# Altium PCB LimeSDR-PCIe_1v3.PcbDoc (part 7 of 10)
Units mm, origin at the board's own origin, x right, y up, seen from the top; angles counter-clockwise.
Board outline 136.85 x 68.9 mm, 12 copper layers (Top, L2, L3, L4, L5, L6, L7, L8, L9, L10, L11, Bottom), stack 1.638 mm thick; 831 components, 538 nets, 3821 pads, 1805 vias.
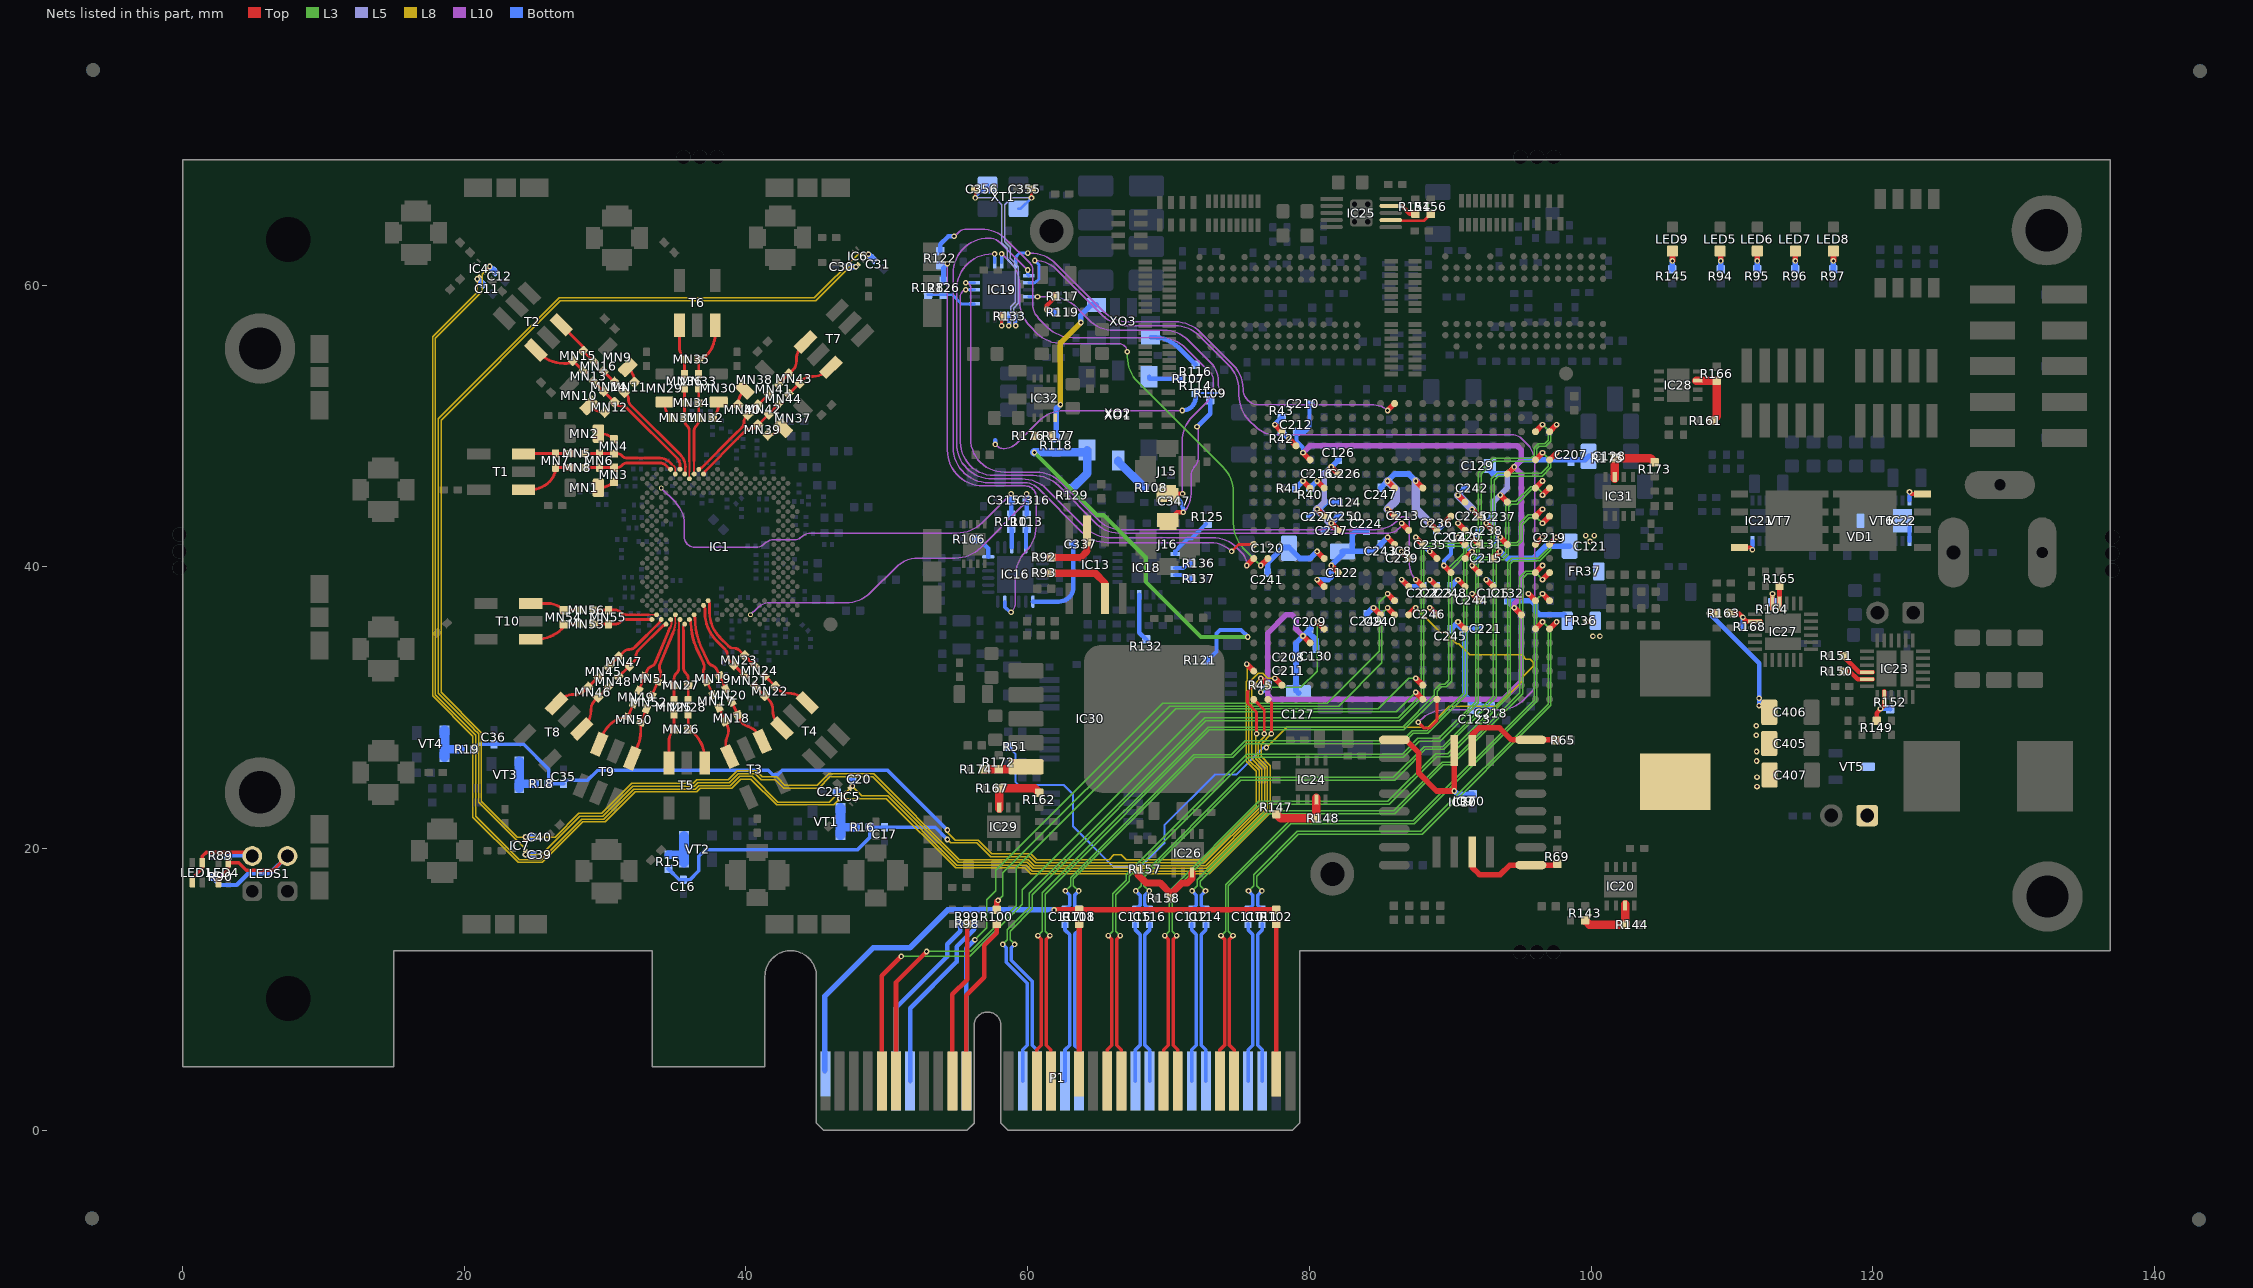
[diagram p17: the nets of this part, all layers, seen from the top]

## Via types
v1: diameter 0.4, hole 0.2, Top to Bottom, tented both sides, 1697 vias
v2: diameter 0.35, hole 0.2, Top to Bottom, tented top, 87 vias
v3: diameter 0.5, hole 0.2, Top to Bottom, tented both sides, 20 vias
v4: diameter 0.4, hole 0.2, Top to Bottom, tented top, 1 vias

## Nets (pads, with @x,y where several pads share a name; then routed paths per layer and width w, separated by ;. In a path a pad name is that pad's centre, name@x,y a point inside that pad or via, vN(x,y) a via of type N, cw(c..) or ccw(c..) an arc to the next point about the centre after c; other vN are vias at no path point) (continued)
NetIC8_F17: IC8.F17 R45.2 | length 9.5
  Top w0.4: v1(80.55,36.1) IC8.F17@81.05,35.6
  L3 w0.1: v1(76.55,31.1) 76.9,31.45 79.395,31.45 80.55,32.605 v1(80.55,36.1)
  Bottom w0.4: v1(76.55,31.1) R45.2@77.05,31.6
NetIC8_G11: IC8.G11 R51.2 | length 61.1
  Top w0.4: IC8.G11@87.05,36.6 v1(87.55,37.1)
  L8 w0.1: v1(76.95,27.175) 78.4,28.625 88.445,28.625 89.92,30.1 93.328,30.1 95.125,31.897 95.125,32.17 95.9,32.945 95.9,33.245 95.695,33.45 95.375,33.45 95.075,33.75 91.4,33.75 90.6,34.55 90.454,34.55 89.654,35.35 89.3,35.35 v1(87.55,37.1)
  Bottom w0.15: R51.2@58.625,27.225 59.125,26.725 59.125,24.738 59.338,24.525 62.546,24.525 63.225,23.846 63.225,21.566 66.116,18.675 68.004,18.675 69.7,20.371 69.7,21.65 73.3,25.25 74.8,25.25 76.725,27.175 v1(76.95,27.175)
NetIC8_T17: IC8.T17 R40.1 | length 1.4
  Top w0.4: v1(80.55,46.1) IC8.T17@81.05,45.6
  Bottom w0.4: R40.1@80.075,45.625 v1(80.55,46.1)
NetIC8_T18: IC8.T18 R41.2 | length 1.4
  Top w0.4: v1(79.55,46.1) IC8.T18@80.05,45.6
  Bottom w0.4: R41.2@79.05,45.6 v1(79.55,46.1)
NetIC8_W19: IC8.W19 R42.1 | length 1.4
  Top w0.4: v1(78.55,49.1) IC8.W19@79.05,48.6
  Bottom w0.4: R42.1@78.05,49.6 v1(78.55,49.1)
NetIC8_Y20: IC8.Y20 R43.2 | length 1.4
  Top w0.4: v1(77.55,50.1) IC8.Y20@78.05,49.6
  Bottom w0.4: v1(77.55,50.1) R43.2@78.05,50.6
NetIC9_2: IC9.2 IC10.8 R65.1 | length 8.1
  Top w0.4: IC9.2@91.56,26.5 IC9.2@91.56,26.95 91.56,28.085 92.05,28.575 93.5,28.575 94.355,27.72 IC10.8@95.725,27.72 97.515,27.72 R65.1@97.535,27.7
NetIC9_3: IC9.3 IC10.9 R70.2 | length 10.9
  Top w0.4: IC10.9@86.025,27.72 86.855,27.72 87.775,26.8 87.775,25.35 89.035,24.09 v1(90.29,24.09) IC9.3@90.29,26.95
  Bottom w0.4: v1(90.29,24.09) 90.53,23.85 R70.2@91.6,23.85
NetIC9_7: IC9.7 IC10.1 R69.2 | length 7.7
  Top w0.4: IC9.7@91.56,19.75 91.56,18.665 92.075,18.15 93.55,18.15 94.23,18.83 IC10.1@95.725,18.83 97.505,18.83 R69.2@97.6,18.925
NetIC13_3: IC13.3 R93.2 | length 5.2
  Top w0.5: R93.2@61.675,39.575 61.675,39.55 64.8,39.55 65.485,38.865 IC13.3@65.485,37.75
NetIC13_7: IC13.7 R92.2 | length 4.2
  Top w0.5: R92.2@61.675,40.675 63.775,40.675 64.215,41.115 IC13.7@64.215,42.55
NetIC16_3: IC16.3 R110.2 | length 1.3
  Bottom w0.3: R110.2@58.825,42.712 58.875,42.662 IC16.3@58.875,41.387
NetIC16_5: IC16.5 R113.2 | length 1.3
  Bottom w0.3: IC16.5@59.875,41.387 59.875,42.662 R113.2@59.925,42.712
NetIC16_24: IC16.24 R106.1 | length 1.7
  Bottom w0.3: R106.1@56.35,41.95 56.55,41.95 57.2,41.3 IC16.24@57.2,40.712
NetIC18_11: IC18.11 R125.1 | length 3.2
  Bottom w0.3: IC18.11@70.475,40.925 70.475,41.125 71.375,42.025 71.625,42.025 R125.1@72.65,43.05
NetIC18_13: IC18.13 R136.2 | length 1.3
  Bottom w0.3: IC18.13@70.475,39.925 71.05,39.925 71.375,40.25 R136.2@71.65,40.25
NetIC18_14: IC18.14 R137.2 | length 1.3
  Bottom w0.3: IC18.14@70.475,39.425 71.025,39.425 71.3,39.15 R137.2@71.65,39.15
NetIC18_19: IC18.19 R132.1 | length 3.4
  Bottom w0.3: IC18.19@67.925,38.025 67.925,35.325 R132.1@68.45,34.8
NetIC19_3: IC19.3 R133.2 | length 1.3
  Top w0.2: v1(58.15,57.125) 58.15,57.725 R133.2@58.225,57.8
  Bottom w0.2: v1(58.15,57.125) IC19.3@58.15,57.75
NetIC19_6: IC19.6 R126.2 R128.1 | length 3.6
  Bottom w0.2: R128.1@52.925,59.325 R126.2@54.025,59.325 54.65,59.325 55.3,58.675 IC19.6@56.225,58.675
NetIC20_3: IC20.3 R143.1 R144.1 | length 4.4
  Top w0.6: R143.1@99.575,14.9 99.875,14.6 R144.1@102.412,14.6 IC20.3@102.412,16.05
NetIC21_3: IC21.3 VT7.4 | length 1.6
  Top w0.3: VT7.4@110.53,41.37 111.305,41.37 v1(111.45,41.225)
  Bottom w0.3: v1(111.45,41.225) IC21.3@111.45,41.84
NetIC22_3: IC22.3 VT6.4 | length 1.6
  Top w0.3: v1(122.6,45.325) 122.745,45.18 VT6.4@123.52,45.18
  Bottom w0.3: IC22.3@122.6,44.71 v1(122.6,45.325)
NetIC22_4: IC22.4 IC22.7 VD1.3 | length 0.9
  Bottom w0.3: IC22.4@122.6,41.84 IC22.7@122.6,42.775
NetIC23_2: IC23.2 R149.2 R152.2 | length 3
  Top w0.325: R149.2@120.274,29.076 120.274,29.626 120.824,30.176 IC23.2@120.824,30.776 IC23.2@120.824,31.176
  Bottom w0.325: v1(120.549,29.926) 121.199,29.926 R152.2@121.224,29.901
NetIC23_22: IC23.22 R151.1 | length 2.6
  Top w0.325: R151.1@117.949,33.676 117.949,33.626 119.049,32.526 IC23.22@120,32.526
NetIC23_23: IC23.23 R150.2 | length 2.3
  Top w0.325: R150.2@117.95,32.575 118.375,32.575 118.924,32.026 IC23.23@120,32.026
NetIC24_3: IC24.3 R147.1 R148.1 | length 4.4
  Top w0.6: R147.1@77.663,22.45 77.963,22.15 R148.1@80.5,22.15 IC24.3@80.5,23.6
NetIC25_7: IC25.7 R156.2 | length 3.1
  Top w0.2: IC25.7@85.775,64.625 85.775,64.575 88.125,64.575 R156.2@88.625,65.075
NetIC25_9: IC25.9 R154.2 | length 2
  Top w0.3: IC25.9@85.775,65.625 86.575,65.625 87.125,65.075 R154.2@87.525,65.075
NetIC26_3: IC26.3 R157.2 R158.2 | length 6
  Top w0.5: R157.2@67.837,18.525 67.837,18.137 68.4,17.575 69.4,17.575 70.15,16.825 R158.2@70.15,16.753 ; R158.2@70.15,16.475 R158.2@70.15,16.753 ; IC26.3@71.675,18.3 71.675,17.875 71.35,17.55 70.947,17.55 R158.2@70.15,16.753
NetIC27_2: IC27.2 R163.2 R168.1 | length 3
  Top w0.325: R163.2@109.925,36.7 110.475,36.7 111.025,36.15 IC27.2@111.625,36.15 IC27.2@112.025,36.15
  Bottom w0.325: R168.1@110.75,35.75 110.775,35.775 v1(110.775,36.425)
NetIC27_22: IC27.22 R165.1 | length 1.6
  Top w0.325: IC27.22@113.375,37 R165.1@113.375,38.6
NetIC27_23: IC27.23 R164.2 | length 1.7
  Top w0.325: IC27.23@112.875,37 IC27.23@112.875,37.4 v1(112.875,38.1)
  Bottom w0.325: R164.2@112.875,37.5 v1(112.875,38.1)
NetIC28_3: IC28.3 R161.1 R166.1 | length 4.4
  Top w0.6: IC28.3@107.475,53.225 R166.1@108.925,53.225 108.925,50.688 R161.1@108.625,50.388
NetIC29_3: IC29.3 R162.1 R167.2 | length 4.4
  Top w0.6: IC29.3@57.975,22.825 R167.2@57.975,24.275 60.512,24.275 R162.1@60.812,23.975
NetIC30_5: IC30.5 R172.2 R174.1 | length 2.9
  Top w0.6: R174.1@56.85,25.625 R172.2@57.95,25.625 IC30.5@59.706,25.625
NetIC31_3: IC31.3 R173.1 R175.1 | length 4.4
  Top w0.6: IC31.3@101.675,46.275 R175.1@101.675,47.725 104.212,47.725 R173.1@104.512,47.425
NetIC32_8: IC32.8 R176.2 R177.2
NetJ14_1: J14.1 VT5.D
NetJ15_1: J15.1 R122.1 | length 36.2
  Top w0.325: J15.1@69.925,45.2 v1@70.975,45.2
  L10 w0.1: v1(54.775,63.475) ccw(c54.775,63.596) 54.86,63.51 55.1,63.75 cw(c55.643,63.207) 55.643,63.975 56.698,63.975 cw(c56.698,61.435) 58.494,63.231 60.173,61.552 cw(c59.746,61.125) 60.35,61.125 60.35,58.703 ccw(c61.866,58.703) 60.794,57.631 61.406,57.019 ccw(c63.202,58.815) 63.202,56.275 69.423,56.275 cw(c69.423,53.735) 71.219,55.531 73,53.75 cw(c72.578,53.328) 73.175,53.328 73.175,52.875 cw(c71.425,52.875) 72.662,51.637 71.719,50.694 ccw(c73.515,48.898) 70.975,48.898 v1@70.975,45.2
  Bottom w0.325: R122.1@53.799,62.423 53.799,62.899 54.375,63.475 v1(54.775,63.475)
  other v1: 71,45.2
NetLED1_1: LED1.1 LED1.4 LEDS1.A1 R89.2 | length 7.7
  Top w0.25: LED1.4@0.7,17.6 0.7,17.9 1.4,18.6 LED1.1@1.4,19 1.4,19.45 1.7,19.75 4.675,19.75 LEDS1.A1@4.925,19.5
  Bottom w0.25: R89.2@3.2,19.5 4.925,19.5 LEDS1.A1@4.95,19.475
NetLED4_1: LED4.1 LED4.4 LEDS1.A2 R90.2 | length 12.9
  Top w0.25: LED4.4@2.55,17.6 2.55,17.825 3.25,18.525 LED4.1@3.25,19 4,19 4.525,18.475 6.45,18.475 LEDS1.A2@7.45,19.475
  Bottom w0.3: R90.2@2.2,18 2.2,17.85 2.625,17.425 3.851,17.425 4.676,18.25 6.225,18.25 LEDS1.A2@7.45,19.475
NetLED5_A: LED5.A R94.2 | length 1.3
  Top w0.4: v1(109.2,61.725) 109.205,61.73 LED5.A@109.205,62.425
  Bottom w0.4: R94.2@109.2,61.125 v1(109.2,61.725)
NetLED6_A: LED6.A R95.2 | length 1.3
  Top w0.4: v1(111.795,61.725) 111.8,61.73 LED6.A@111.8,62.425
  Bottom w0.4: R95.2@111.795,61.125 v1(111.795,61.725)
NetLED7_A: LED7.A R96.2 | length 1.3
  Top w0.4: v1(114.5,61.725) 114.505,61.73 LED7.A@114.505,62.425
  Bottom w0.4: R96.2@114.5,61.125 v1(114.5,61.725)
NetLED8_A: LED8.A R97.2 | length 1.3
  Top w0.4: v1(117.2,61.725) 117.205,61.73 LED8.A@117.205,62.425
  Bottom w0.4: R97.2@117.2,61.125 v1(117.2,61.725)
NetLED9_A: LED9.A R145.1 | length 1.3
  Top w0.4: v1(105.77,61.725) 105.775,61.73 LED9.A@105.775,62.425
  Bottom w0.4: R145.1@105.77,61.125 v1(105.77,61.725)
NetMN1_1: MN1.1 MN3.2 | length 1.2
  Top w0.2: MN1.1@29.52,45.628 29.605,45.628 ccw(c29.605,47.077) MN3.2@30.63,46.052
NetMN2_1: MN2.1 MN4.2 | length 1.2
  Top w0.2: MN2.1@29.519,49.473 29.614,49.473 cw(c29.614,48.037) MN4.2@30.63,49.052
NetMN9_1: MN9.1 MN11.2 | length 1.2
  Top w0.2: MN9.1@31.595,54.192 31.662,54.125 cw(c30.647,53.109) MN11.2@32.083,53.109
NetMN10_1: MN10.1 MN12.2 | length 1.2
  Top w0.2: MN10.1@28.876,51.473 28.936,51.413 ccw(c29.961,52.438) MN12.2@29.961,50.988
NetMN29_1: MN29.1 MN31.2 | length 1.2
  Top w0.2: MN29.1@34.22,51.701 34.22,51.616 ccw(c35.669,51.616) MN31.2@34.645,50.591
NetMN30_1: MN30.1 MN32.2 | length 1.2
  Top w0.2: MN32.2@37.644,50.591 ccw(c36.629,51.606) 38.065,51.606 MN30.1@38.065,51.701
NetMN37_1: MN37.1 MN39.2 | length 1.2
  Top w0.2: MN39.2@41.554,49.376 ccw(c41.554,50.812) 42.569,49.797 MN37.1@42.636,49.864
NetMN38_1: MN38.1 MN40.2 | length 1.2
  Top w0.2: MN40.2@39.433,51.498 cw(c40.882,51.498) 39.857,52.523 MN38.1@39.917,52.582
NetP1_A6: P1.A6 R98.2 | length 13
  Bottom w0.325: P1.A6@50.65,3.5 50.65,8.7 54.288,12.338 54.288,13.213 55.2,14.125 R98.2@55.2,14.65
NetP1_A7: P1.A7 R98.1 | length 13
  Bottom w0.325: P1.A7@51.65,3.5 51.65,8.675 54.95,11.975 54.95,13.025 56.2,14.275 R98.1@56.2,14.65
NetP1_B10: P1.B10 R99.2 | length 11.6
  Top w0.325: P1.B10@54.65,3.5 54.65,9.65 55.7,10.7 R99.2@55.7,14.65
NetP1_B11: P1.B11 R100.2 | length 12
  Top w0.325: P1.B11@55.65,3.5 55.65,9.6 56.925,10.875 56.925,13.15 57.8,14.025 R100.2@57.8,14.65
NetR15_1: R15.1 VT2.3 VT2.4 | length 3
  Bottom w0.6: R15.1@34.499,19.556 35.601,19.556
  Bottom w0.7: VT2.4@35.601,19.007 VT2.3@35.601,20.907
NetR16_2: R16.2 VT1.3 VT1.4 | length 3
  Bottom w0.6: 46.7,21.523 R16.2@47.803,21.523
  Bottom w0.7: VT1.3@46.7,20.975 VT1.4@46.7,22.875
NetR18_2: R18.2 VT3.3 VT3.4 | length 3
  Bottom w0.6: VT3.3@23.9,24.598 R18.2@25.003,24.598
  Bottom w0.7: VT3.3@23.9,24.3 VT3.4@23.9,26.2
NetR19_1: R19.1 VT4.3 VT4.4 | length 3
  Bottom w0.6: 18.6,27.048 R19.1@19.702,27.048
  Bottom w0.7: VT4.3@18.6,26.5 VT4.4@18.6,28.4
NetR107_2: R107.2 XO1.4 XO2.3 | length 2.4
  Bottom w0.325: XO1.4@68.625,53.5 68.625,53.35 R107.2@70.925,53.35
NetR108_1: R108.1 XO1.6 | length 2.7
  Bottom w0.6: XO1.6@66.425,47.55 66.425,47.475 R108.1@68.275,45.625
NetR116_2: R116.2 XO3.6 | length 3.9
  Bottom w0.325: XO3.6@68.725,56.3 68.923,56.3 cw(c68.923,53.76) 70.719,55.556 R116.2@71.925,54.35
NetR117_2: R117.2 R119.1 | length 1.9
  Top w0.3: v1(61.35,58.275) 61.35,58.55 R117.2@62,59.2
  Bottom w0.3: v1(61.35,58.275) 61.55,58.075 R119.1@62,58.075
NetR118_2: R118.2 XO3.1 | length 10.9
  L8 w0.4: v1(62.325,51.525) 62.325,55.9 v1(63.775,57.35)
  Bottom w0.4: R118.2@62.025,49.125 62.025,51.225 v1(62.325,51.525) ; v1(63.775,57.35) 63.775,57.875 64.5,58.6 XO3.1@64.875,58.6
PCIE_HSI0_IC_N: C118.1 IC8.V1 | length 58.8
  Top w0.4: IC8.V1@97.05,47.6 v1(97.55,48.1)
  L3 w0.1: v1(63.625,17) 63.25,17.375 63.25,17.867 71.858,26.475 74.55,26.475 75.525,27.45 86.658,27.45 86.758,27.55 87.383,28.175 88.408,28.175 88.733,28.5 91.175,30.942 91.175,40.35 91.325,40.5 91.658,40.5 92.075,40.917 92.075,41.275 92.275,41.475 92.783,41.475 93.125,41.817 93.125,46.17 93.405,46.45 96.533,46.45 97.15,47.067 97.15,47.7 v1(97.55,48.1)
  Bottom w0.25: v1(63.625,17) 63.325,16.7 63.325,15.975 C118.1@63.65,15.65
PCIE_HSI0_IC_P: C117.1 IC8.V2 | length 58.8
  Top w0.4: IC8.V2@96.05,47.6 v1(96.55,48.1)
  L3 w0.1: v1(62.675,17) 63.05,17.375 63.05,17.95 71.775,26.675 74.467,26.675 75.442,27.65 86.575,27.65 87.3,28.375 88.325,28.375 90.975,31.025 90.975,40.433 91.242,40.7 91.575,40.7 91.875,41 91.875,41.358 92.192,41.675 92.7,41.675 92.925,41.9 92.925,46.253 93.322,46.65 96.45,46.65 96.95,47.15 96.95,47.7 v1(96.55,48.1)
  Bottom w0.25: C117.1@62.65,15.65 62.975,15.975 62.975,16.7 v1(62.675,17)
PCIE_HSI0_N: C118.2 P1.A17 | length 11.4
  Bottom w0.25: P1.A17@63.65,3.5 63.65,5.725 63.325,6.05 63.325,13.9 63.65,14.225 C118.2@63.65,14.65
PCIE_HSI0_P: C117.2 P1.A16 | length 11.4
  Bottom w0.25: P1.A16@62.65,3.5 62.65,5.725 62.975,6.05 62.975,13.9 62.65,14.225 C117.2@62.65,14.65
PCIE_HSI1_IC_N: C116.1 IC8.P1 | length 49
  Top w0.4: v1(96.55,43.1) IC8.P1@97.05,43.6
  L3 w0.1: v1(68.625,17) 68.25,17.375 68.25,17.967 75.133,24.85 86.05,24.85 86.617,25.417 88.238,27.038 89.55,27.038 93.25,30.737 93.25,40.3 93.475,40.525 93.775,40.525 94.125,40.875 94.125,41.35 94.3,41.525 94.808,41.525 95.125,41.842 95.125,43 95.625,43.5 96.15,43.5 v1(96.55,43.1)
  Bottom w0.25: v1(68.625,17) 68.325,16.7 68.325,15.975 C116.1@68.65,15.65
PCIE_HSI1_IC_P: C115.1 IC8.P2 | length 49.4
  Top w0.4: IC8.P2@96.05,43.6 v1(96.55,44.1)
  L3 w0.1: v1(67.675,17) 68.05,17.375 68.05,18.05 75.05,25.05 85.967,25.05 88.155,27.238 89.468,27.238 93.05,30.82 93.05,40.383 93.392,40.725 93.692,40.725 93.925,40.958 93.925,41.433 94.217,41.725 94.725,41.725 94.925,41.925 94.925,43.083 95.542,43.7 96.15,43.7 v1(96.55,44.1)
  Bottom w0.25: C115.1@67.65,15.65 67.975,15.975 67.975,16.7 v1(67.675,17)
PCIE_HSI1_N: C116.2 P1.A22 | length 11.4
  Bottom w0.25: P1.A22@68.65,3.5 68.65,5.725 68.325,6.05 68.325,13.9 68.65,14.225 C116.2@68.65,14.65
PCIE_HSI1_P: C115.2 P1.A21 | length 11.4
  Bottom w0.25: P1.A21@67.65,3.5 67.65,5.725 67.975,6.05 67.975,13.9 67.65,14.225 C115.2@67.65,14.65
PCIE_HSI2_IC_N: C114.1 IC8.K1 | length 41.5
  Top w0.4: v1(96.55,39.1) IC8.K1@97.05,39.6
  L3 w0.1: v1(72.625,17) 72.25,17.375 72.25,17.692 77.033,22.475 86.058,22.475 89.52,25.938 90.101,25.938 95.15,30.986 95.15,39.195 95.455,39.5 96.15,39.5 v1(96.55,39.1)
  Bottom w0.25: v1(72.625,17) 72.325,16.7 72.325,15.975 C114.1@72.65,15.65
PCIE_HSI2_IC_P: C112.1 IC8.K2 | length 41.8
  Top w0.4: IC8.K2@96.05,39.6 v1(96.55,40.1)
  L3 w0.1: v1(71.675,17) 72.05,17.375 72.05,17.775 76.95,22.675 85.975,22.675 89.438,26.138 90.019,26.138 94.95,31.069 94.95,39.278 95.372,39.7 96.15,39.7 v1(96.55,40.1)
  Bottom w0.25: C112.1@71.65,15.65 71.975,15.975 71.975,16.7 v1(71.675,17)
PCIE_HSI2_N: C114.2 P1.A26 | length 11.4
  Bottom w0.25: P1.A26@72.65,3.5 72.65,5.725 72.325,6.05 72.325,13.9 72.65,14.225 C114.2@72.65,14.65
PCIE_HSI2_P: C112.2 P1.A25 | length 11.4
  Bottom w0.25: P1.A25@71.65,3.5 71.65,5.725 71.975,6.05 71.975,13.9 71.65,14.225 C112.2@71.65,14.65
PCIE_HSI3_IC_N: C111.1 IC8.F1 | length 35.5
  Top w0.4: IC8.F1@97.05,35.6 v1(97.55,36.1)
  L3 w0.1: v1(76.625,17) 76.25,17.375 76.25,18.055 79.22,21.025 88.003,21.025 97.15,30.172 97.15,35.7 v1(97.55,36.1)
  Bottom w0.25: v1(76.625,17) 76.325,16.7 76.325,15.975 C111.1@76.65,15.65
PCIE_HSI3_IC_P: C110.1 IC8.F2 | length 35.5
  Top w0.4: IC8.F2@96.05,35.6 v1(96.55,36.1)
  L3 w0.1: v1(75.675,17) 76.05,17.375 76.05,18.138 79.137,21.225 87.92,21.225 96.95,30.255 96.95,35.7 v1(96.55,36.1)
  Bottom w0.25: C110.1@75.65,15.65 75.975,15.975 75.975,16.7 v1(75.675,17)
PCIE_HSI3_N: C111.2 P1.A30 | length 11.4
  Bottom w0.25: P1.A30@76.65,3.5 76.65,5.725 76.325,6.05 76.325,13.9 76.65,14.225 C111.2@76.65,14.65
PCIE_HSI3_P: C110.2 P1.A29 | length 11.4
  Bottom w0.25: P1.A29@75.65,3.5 75.65,5.725 75.975,6.05 75.975,13.9 75.65,14.225 C110.2@75.65,14.65
PCIE_HSO0_N: IC8.Y1 P1.B15 | length 73
  Top w0.25: v1(61.575,13.825) 61.325,13.575 61.325,6.05 61.65,5.725 P1.B15@61.65,3.5
  Top w0.4: IC8.Y1@97.05,49.6 v1(97.55,50.1)
  L3 w0.1: v1(61.575,13.825) 61.25,14.15 61.25,16.775 72.9,28.425 86.708,28.425 89.075,30.792 89.075,31.175 89.375,31.475 89.703,31.475 90.1,31.872 90.1,39.841 91.15,40.891 91.15,41.217 91.408,41.475 91.633,41.475 92.2,42.042 92.2,46.6 93.1,47.5 95.808,47.5 96.15,47.842 96.15,48.383 96.317,48.55 96.778,48.55 97.15,48.922 97.15,49.7 v1(97.55,50.1)
PCIE_HSO0_P: IC8.Y2 P1.B14 | length 73
  Top w0.25: P1.B14@60.65,3.5 60.65,5.725 60.975,6.05 60.975,13.575 v1(60.725,13.825)
  Top w0.4: IC8.Y2@96.05,49.6 v1(96.55,50.1)
  L3 w0.1: v1(60.725,13.825) 61.05,14.15 61.05,16.858 72.817,28.625 86.625,28.625 88.875,30.875 88.875,31.258 89.292,31.675 89.62,31.675 89.9,31.955 89.9,39.924 90.95,40.974 90.95,41.3 91.325,41.675 91.55,41.675 92,42.125 92,46.683 93.017,47.7 95.725,47.7 95.95,47.925 95.95,48.466 96.234,48.75 96.4,48.75 96.695,48.75 96.95,49.005 96.95,49.7 v1(96.55,50.1)
PCIE_HSO1_N: IC8.T1 P1.B20 | length 64.4
  Top w0.25: v1(66.575,13.825) 66.325,13.575 66.325,6.05 66.65,5.725 P1.B20@66.65,3.5
  Top w0.4: v1(96.55,45.1) IC8.T1@97.05,45.6
  L3 w0.1: v1(66.575,13.825) 66.25,14.15 66.25,16.725 67.2,17.675 67.2,18.05 75.65,26.5 86.658,26.5 86.933,26.775 87.783,27.625 89.283,27.625 92,30.342 92,40.225 92.275,40.5 92.833,40.5 93.2,40.867 93.2,41.3 93.45,41.55 93.759,41.55 94.15,41.941 94.15,44.275 94.325,44.45 94.75,44.45 95.8,45.5 96.275,45.5 96.55,45.225 v1(96.55,45.1)
PCIE_HSO1_P: IC8.T2 P1.B19 | length 64.7
  Top w0.25: P1.B19@65.65,3.5 65.65,5.725 65.975,6.05 65.975,13.575 v1(65.725,13.825)
  Top w0.4: IC8.T2@96.05,45.6 v1(96.55,46.1)
  L3 w0.1: v1(65.725,13.825) 66.05,14.15 66.05,16.808 67,17.758 67,18.133 75.567,26.7 86.575,26.7 87.7,27.825 89.2,27.825 91.8,30.425 91.8,40.308 92.192,40.7 92.75,40.7 93,40.95 93,41.383 93.367,41.75 93.676,41.75 93.95,42.024 93.95,44.358 94.242,44.65 94.667,44.65 95.717,45.7 96.275,45.7 96.55,45.975 v1(96.55,46.1)
PCIE_HSO2_N: IC8.M1 P1.B24 | length 58
  Top w0.25: v1(70.575,13.825) 70.325,13.575 70.325,6.05 70.65,5.725 P1.B24@70.65,3.5
  Top w0.4: IC8.M1@97.05,41.6 v1(97.55,42.1)
  L3 w0.1: v1(70.575,13.825) 70.25,14.15 70.25,16.9 76.5,23.15 85.658,23.15 89.045,26.538 89.905,26.538 94.275,30.908 94.275,40.242 94.458,40.425 96.358,40.425 97.15,41.217 97.15,41.7 v1(97.55,42.1)
PCIE_HSO2_P: IC8.M2 P1.B23 | length 58
  Top w0.25: P1.B23@69.65,3.5 69.65,5.725 69.975,6.05 69.975,13.575 v1(69.725,13.825)
  Top w0.4: IC8.M2@96.05,41.6 v1(96.55,42.1)
  L3 w0.1: v1(69.725,13.825) 70.05,14.15 70.05,16.983 76.417,23.35 85.575,23.35 88.963,26.738 89.822,26.738 94.075,30.991 94.075,40.325 94.375,40.625 96.275,40.625 96.95,41.3 96.95,41.7 v1(96.55,42.1)
PCIE_HSO3_N: IC8.H1 P1.B28 | length 50.1
  Top w0.25: v1(74.575,13.825) 74.325,13.575 74.325,6.05 74.65,5.725 P1.B28@74.65,3.5
  Top w0.4: v1(96.55,38.1) IC8.H1@97.05,37.6
  L3 w0.1: v1(74.575,13.825) 74.25,14.15 74.25,17.347 78.678,21.775 87.458,21.775 96.15,30.467 96.15,37.7 v1(96.55,38.1)
PCIE_HSO3_P: IC8.H2 P1.B27 | length 50.1
  Top w0.25: P1.B27@73.65,3.5 73.65,5.725 73.975,6.05 73.975,13.575 v1(73.725,13.825)
  Top w0.4: v1(95.55,38.1) IC8.H2@96.05,37.6
  L3 w0.1: v1(73.725,13.825) 74.05,14.15 74.05,17.43 78.595,21.975 87.375,21.975 95.95,30.55 95.95,37.7 v1(95.55,38.1)
PCIE_PERSTN: IC8.H12 P1.A11 | length 54.5
  Top w0.4: v1(85.55,38.1) IC8.H12@86.05,37.6
  L3 w0.1: v1(56.25,13.525) 57.1,14.375 57.1,16.375 57.725,17 57.725,18.45 69.6,30.325 81.27,30.325 84.95,34.005 84.95,37.5 v1(85.55,38.1)
  Bottom w0.325: P1.A11@55.65,3.5 55.65,12.925 v1(56.25,13.525)
PCIE_PRSNT1N: P1.A1 R101.1 R102.1 | length 39.8
  Top w0.4: v1(61.875,15.65) R101.1@63.65,15.65 R102.1@77.65,15.65
  Bottom w0.4: P1.A1@45.6,4.25 45.6,9.525 49.025,12.95 51.625,12.95 54.325,15.65 v1@61.825,15.65
PCIE_PRSNT2N_X1: P1.B17 R101.2 | length 10.7
  Top w0.4: P1.B17@63.65,4 R101.2@63.65,14.65
PCIE_PRSNT2N_X4: P1.B31 R102.2 | length 10.7
  Top w0.325: P1.B31@77.65,4 R102.2@77.65,14.65
PCIE_REFCLK_N: IC8.N7 P1.A14 | length 64.6
  Top w0.4: v1(90.55,43.1) IC8.N7@91.05,42.6
  L3 w0.1: v1(59.075,13.2) 58.75,13.525 58.75,14.142 60.325,15.717 60.325,16.742 72.658,29.075 86.375,29.075 88.125,30.825 88.125,41.3 88.3,41.475 90.833,41.475 91.25,41.892 91.25,42.433 90.983,42.7 90.75,42.7 90.55,42.9 v1(90.55,43.1)
  Bottom w0.25: v1(59.075,13.2) 58.825,12.95 58.825,12.075 60.325,10.575 60.325,6.153 ; 60.325,6.05 60.65,5.725 P1.A14@60.65,3.5
PCIE_REFCLK_P: IC8.M7 P1.A13 | length 64.4
  Top w0.4: v1(90.55,42.1) IC8.M7@91.05,41.6
  L3 w0.1: v1(58.225,13.2) 58.55,13.525 58.55,14.225 60.125,15.8 60.125,16.825 72.575,29.275 86.292,29.275 87.925,30.908 87.925,41.383 88.217,41.675 90.75,41.675 91.05,41.975 91.05,42.35 90.9,42.5 90.75,42.5 90.55,42.3 v1(90.55,42.1)
  Bottom w0.25: v1(58.225,13.2) 58.475,12.95 58.475,11.93 59.975,10.43 59.975,6.05 59.65,5.725 P1.A13@59.65,3.5
PCIE_SMCLK: IC8.A10 P1.B5 | length 55.1
  Top w0.325: P1.B5@49.65,3.5 49.65,10.975 v1(51.025,12.35)
  Top w0.4: v1(87.55,31.1) IC8.A10@88.05,30.6
  L3 w0.1: v1@50.975,12.35 55.883,12.35 59.6,16.067 59.6,17.075 72.25,29.725 86.175,29.725 v1(87.55,31.1)
PCIE_SMDAT: IC8.B10 P1.B6 | length 55.1
  Top w0.325: P1.B6@50.65,3.5 50.65,10.525 v1(52.825,12.7)
  Top w0.4: v1(87.55,32.1) IC8.B10@88.05,31.6
  L3 w0.1: v1(52.825,12.7) 55.95,12.7 59.2,15.95 59.2,18.625 70.5,29.925 73.175,29.925 84.875,29.925 87.05,32.1 v1(87.55,32.1)
PCIE_WAKEN: IC8.G12 R100.1 | length 40.7
  Top w0.4: R100.1@57.8,15.65 57.8,16.225 v1(57.9,16.325) ; v1(85.55,37.1) IC8.G12@86.05,36.6
  L3 w0.1: v1(57.9,16.325) 58.225,16.65 58.225,18.275 70.075,30.125 73.092,30.125 82.07,30.125 85.15,33.205 85.15,36.7 v1(85.55,37.1)